# KiCad board Ashwing66_hard_prod.kicad_pcb (continued)
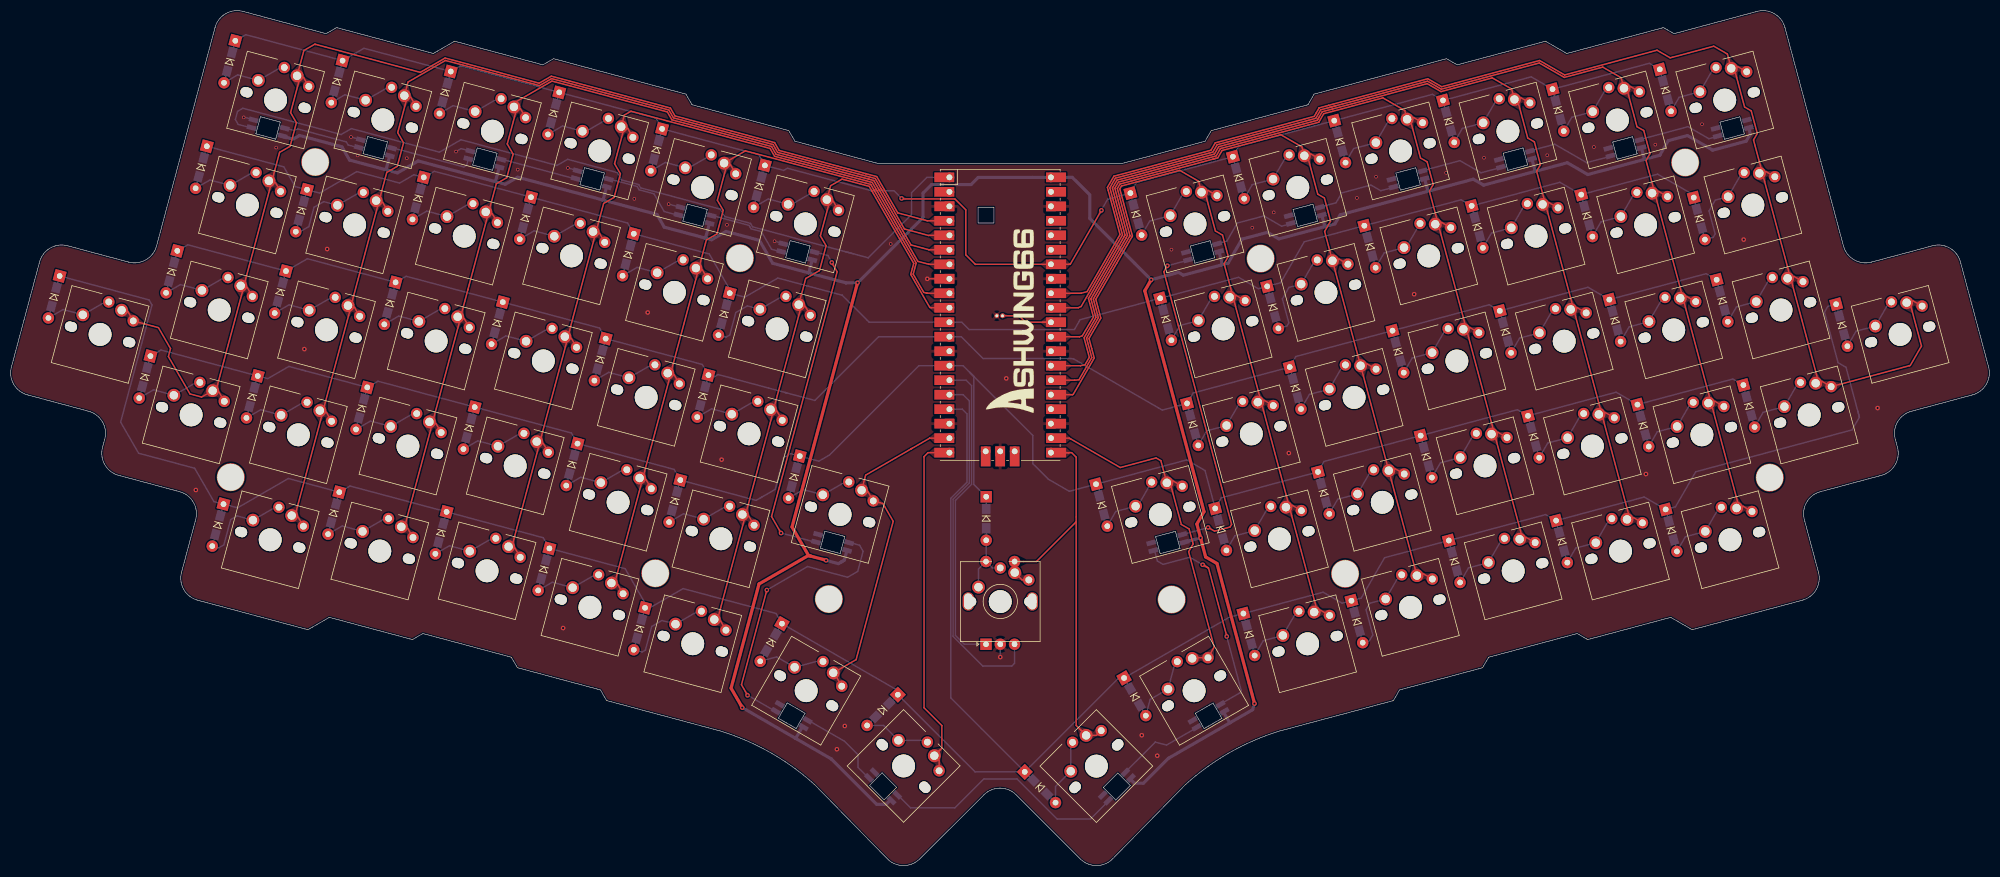
[diagram p0: board, top side]
## Routing (per net, layer and track width the routed paths; a pad name or vN(x,y) marks a point on that pad's centre or on a via; arc(x,y) is an arc through that point)
GND: length 19.3
  Top w0.15: pico.8 164.44,102.88
  Top w0.25: v2(160.57,102.87) 160.58,102.88 pico.8
  Bottom w0.25: v1(59.62,127.73) 61.54,127.22 61.56,127.23 ; v2(173.35,36.55) RotEnc.C ; v1(133.81,109.46) 135.57,108.99 ; 80.75,125.25 80.69,125.21 78.91,125.69 v1(78.03,125.18) ; 42.77,130.71 40.9,131.21 v1(40.82,131.17) ; v1(115.26,115.96) 117.51,115.36 117.56,115.39 ; v1(97.6,122.3) 97.61,122.31 99.55,121.79
  vias: v1(46.51,125.88) v1(60.78,124.51) v1(69.39,124.01) v1(88.83,122.02) v1(109.24,116.89) v1(125.47,112.33) v1(154.16,108.98) v1(203.33,107.98) v1(217.48,111.83) v1(221.25,114.51) v1(235.82,117.05) v1(239.16,120.77) v1(251.44,121.44) v1(258.07,124.09) v1(269.16,124.53) v1(277.33,125.97) v1(288.09,126.39) v1(296.27,129.97) v2(32.44,65.84) v2(51.44,90.54) v2(55.44,108.09) v2(96.77,41.64) v2(111.59,96.97) v2(124.54,71.17) v2(144.73,20.39) v2(146.11,24.47) v2(174.39,85.41) v2(198.13,22.85) v2(200.84,19.27) v2(223.89,72.32) v2(245.84,100.17) v2(286.44,68.64) v2(303.57,109.74) v2(327.02,80.22)
VBUS: length 560.6
  Top w0.25: 182.21,120.65 pico.40
  Top w0.55: 140.13,54.26 139.74,54.37 131.09,49.37 126.19,31.11 128.16,27.7 v2(128.16,27.69) 128.17,27.69 128.2,27.64 ; 140.13,54.26 139.76,54.36 136.87,59.37 v2(148.35,102.19) ; 140.13,54.26 142.83,53.54 v2(142.84,53.51) 142.86,53.53 142.88,53.52 ; v2(199.79,102.71) 199.78,102.71 198.66,100.77 209.04,62.05 207.78,59.88 v2(208.43,57.45) 208.43,57.44 209.32,54.11 211.3,52.97 217.88,28.41 v2(217.88,28.4) 217.89,28.39 217.9,28.35
  Bottom w0.25: 165.67,119.39 163.31,119.39 ; 140.49,106.05 140.41,106.2
  Bottom w0.55: 66.4,124.44 65.79,122.15 65.58,122.03 ; 137.49,22.3 137.6,22.49 137.63,22.5 138.68,24.32 ; 137.49,22.3 143.75,18.69 ; 137.49,22.3 v2(128.16,27.69) ; 140.41,106.2 139.82,103.99 139.88,103.89 ; 179.03,120.64 169.48,120.64 168.23,119.39 165.67,119.39 ; 179.03,120.64 178.98,120.64 ; 179.03,120.64 182.2,120.64 pico.40 185.96,120.66 189.02,117.59 189.02,113.46 196.87,105.61 ; 213.58,25.04 217.56,27.33 217.84,28.38 v2(217.88,28.4) ; 213.58,25.04 213.53,25.05 212.46,26.9 ; 213.58,25.04 202.79,18.81 198.42,14.44 196.85,14.44 196.14,15.16 ; 122.41,112.6 121.74,110.14 121.57,110.04 ; 103.57,116.73 103.82,116.88 104.39,118.99 ; 103.57,116.73 103.57,116.73 ; 103.57,116.73 88.81,120.69 86.66,119.44 84.85,119.93 ; 103.57,116.73 113.21,114.15 114.49,111.93 121.57,110.04 ; 143.75,18.69 143.76,18.7 ; 143.75,18.69 151.7,10.74 153.35,10.74 154.12,11.52 ; 286.09,123.78 288.87,124.53 290.35,127.09 293.71,127.99 298.1,125.46 298.11,125.42 304,127 304.73,128.27 304.44,129.35 ; 286.09,123.78 286.17,123.92 285.65,125.86 ; 286.09,123.78 276.26,121.15 272.67,123.22 266.9,121.68 ; 145.47,53.22 144.98,52.94 v2(142.84,53.51) ; 145.47,53.22 145.79,53.4 ; 145.47,53.22 146.03,53.55 146.49,55.26 ; 248.1,118.17 232.89,114.09 231.97,112.5 230.04,111.98 ; 248.1,118.17 256.19,120.34 258.01,119.29 266.9,121.68 ; 248.1,118.17 248.22,118.37 247.67,120.43 ; 47.41,127.92 49.5,127.36 50.6,128 58.03,126.01 59.37,123.69 65.58,122.03 ; 212.07,105.3 212.07,105.3 213.24,105.61 215.68,109.82 220.15,111.02 222.14,109.87 230.04,111.98 ; 212.07,105.3 205.4,103.51 204.55,104 v2(199.79,102.71) 199.76,102.71 196.87,105.6 ; 212.07,105.3 212.22,105.54 211.66,107.64 ; 229.66,114.04 230.16,112.19 230.04,111.98 ; 208.44,57.45 v2(208.43,57.45) 205.58,56.69 205.44,56.65 205.4,56.58 ; 121.57,110.04 122.77,109.71 125.3,111.18 131.16,109.61 133.47,105.6 139.88,103.89 ; 266.9,121.68 267.01,121.86 266.46,123.9 ; 85.59,122.45 84.93,119.97 84.85,119.93 ; 84.85,119.93 71.38,123.53 67.76,121.44 65.58,122.03 ; 139.88,103.89 146.31,102.16 v2(148.35,102.19) 148.36,102.16 159.81,113.62 159.81,117.89 161.31,119.39 163.31,119.39
Col_0: length 224.5
  Top w0.25: 52.22,136.59 51.31,138.16 50.17,138.46 ; K48.1 36.52,82.96 K48.1 ; K48.1 33.45,82.14 31.41,82.69 27.63,89.24 28.01,90.64 25.89,94.31 K60#2.1 20.57,97.06 K60#2.1 ; K48.1 36.06,83.65 40.7,100.97 K32.1 ; K16.1 46.37,119.75 K16.1 ; K16.1 45.6,119.41 43.05,109.86 40.94,102.02 K32.1 ; K16.1 45.87,120.42 47.11,125.04 48.95,126.1 50.06,130.23 49.03,132.01 50.57,137.77 50.17,138.46 ; K32.1 41.44,101.35 K32.1 ; 50.17,138.46 51.36,142.9 53.26,143.99 53.4,143.95 53.43,143.97 71.74,139.06 76.1,141.58 92.56,137.16 94.7,138.4 115.57,132.81 116.36,131.43 133.81,126.75 134.61,125.38 149.77,121.31 ; pico.4 160.56,113.04 155.39,114.43 153.05,118.47 151.71,120.79 149.77,121.31 ; 149.77,121.31 149.87,121.29
Col_1: length 197.9
  Top w0.25: K17.1 65.16,116.27 K17.1 ; K33.1 60.23,97.87 K33.1 ; 152.48,118.65 151.45,120.45 150.2,120.78 134.34,125.03 133.55,126.41 116.1,131.09 115.3,132.46 94.76,137.97 92.62,136.74 76.15,141.15 69.6,137.36 68.96,134.98 70.1,134.68 71.01,133.11 ; 152.48,118.65 156.55,111.6 160.84,110.45 160.89,110.5 pico.5 ; 152.48,118.65 152.62,118.41 ; 59.71,98.5 61.14,103.85 61.14,103.85 61.14,103.86 64.37,115.9 ; K64.1 50.37,61.07 K64.1 49.92,61.77 54.56,79.09 K49.1 55.3,79.47 K49.1 ; 59.47,97.45 54.83,80.14 ; 64.64,116.91 65.88,121.53 67.72,122.59 68.82,126.72 67.8,128.49 69.34,134.26
Col_2: length 178.9
  Top w0.25: 150.24,120.36 134.08,124.69 133.28,126.07 115.83,130.74 115.04,132.12 94.82,137.54 88.37,133.82 88.15,133 89.29,132.69 90.2,131.13 ; 150.24,120.36 151.18,120.11 152.09,118.53 ; 150.24,120.36 150.41,120.31 ; 83.83,114.92 85.07,119.54 86.91,120.6 88.01,124.73 86.99,126.51 88.53,132.27 ; pico.6 160.89,107.96 160.8,107.98 157.71,108.81 152.09,118.53 ; 152.09,118.53 152.19,118.36 ; 78.9,96.52 80.1,101 80.1,101 80.1,101 83.56,113.91 ; K50.1 74.5,77.49 K50.1 73.75,77.12 69.11,59.79 K65.1 69.57,59.09 K65.1 ; K18.1 84.36,114.29 K18.1 ; 74.02,78.15 78.66,95.46 78.28,96.12 K34.1 79.44,95.9 K34.1
Col_3: length 159.4
  Top w0.25: 151.63,118.53 150.92,119.76 133.82,124.35 133.02,125.72 108.65,132.25 107.5,131.58 106.95,129.54 108.09,129.23 108.99,127.67 ; 151.63,118.53 151.76,118.3 ; 151.63,118.53 158.91,105.92 160.76,105.45 161.01,105.42 pico.7 ; K19.1 103.16,110.83 K19.1 ; K51.1 93.29,74.02 K51.1 92.54,73.64 87.9,56.32 K66.1 88.36,55.62 K66.1 ; 102.63,111.46 103.86,116.08 105.7,117.14 106.81,121.27 105.78,123.05 107.33,128.81 ; K35.1 98.22,92.42 K35.1 ; 97.45,92.01 92.81,74.69 ; 102.36,110.45 97.7,93.06
Col_4: length 143.1
  Top w0.25: 120.63,105.06 121.71,109.13 121.87,109.68 123.71,110.74 124.81,114.87 123.79,116.65 125.33,122.41 ; 151.15,118.56 151.33,118.25 ; 151.15,118.56 158.62,105.63 158.1,103.68 159.94,100.5 160.44,100.36 160.45,100.36 160.61,100.35 pico.9 ; 151.15,118.56 150.66,119.42 128.7,125.3 124.96,123.15 126.1,122.84 127.01,121.27 ; K36.1 116.23,86.03 K36.1 ; K20.1 121.17,104.44 K20.1 ; 120.36,104.05 115.7,86.66 ; 115.46,85.6 110.82,68.29 ; K52.1 111.31,67.64 K52.1 110.56,67.28 105.91,49.93 K67.1 106.37,49.23 K67.1
Col_5: length 129.1
  Top w0.25: 143.29,116.81 143.15,116.85 142.97,116.75 ; 142.97,116.75 144.11,116.44 145.02,114.87 ; 142.97,116.75 143.35,116.08 141.83,110.41 142.84,108.66 141.68,104.31 139.27,102.92 K21.1 139.18,98.04 K21.1 ; 142.97,116.75 143.63,119.19 145.63,120.35 150.39,119.08 150.83,118.31 ; pico.10 161.29,97.8 161,97.86 157.67,103.63 158.19,105.57 150.83,118.31 ; K37#2.1 134.25,79.64 K37#2.1 ; 150.83,118.31 150.9,118.19 ; K68.1 124.39,42.84 K68.1 123.92,43.53 128.57,60.87 K53.1 129.32,61.24 K53.1 ; 138.37,97.65 133.71,80.25 ; 133.47,79.2 128.83,61.89
  Bottom w0.25: K21.1 140.12,96.46
Col_6: length 60.3
  Top w0.25: 157.69,73.03 160.95,74.91 160.97,74.94 pico.19 ; 157.69,73.03 157.92,73.16 ; 157.69,73.03 155.04,71.5 149.76,68.46 149.05,65.81 150.19,65.5 151.1,63.93 152.79,63.48 154.59,60.36 148.1,36.11 144.09,33.79 144.25,33.75 145.58,31.45
Col_7: length 62.2
  Top w0.25: 162.66,20.13 162.76,20.23 ; 162.66,20.13 161.8,19.27 162.63,18.43 162.63,16.62 ; 162.66,20.13 163.12,20.59 163.12,24.54 159.99,27.67 159.99,71.69 160.7,72.4 pico.20
Col_8: length 82
  Top w0.25: 191.03,23.66 190.2,22.83 188.39,22.83 ; 186.64,60.27 179.68,53.31 RotEnc.S1 175.85,51.4 K37.1 177.16,50.08 K37.1 ; 186.64,60.27 186.64,61.13 186.64,71.61 185.85,72.4 pico.21 ; 186.64,60.27 186.64,24.57 188.39,22.83 ; 188.39,22.83 188.39,22.91 ; 188.39,22.83 187.33,23.88 ; pico.21 185.29,72.37 185.39,72.33 ; pico.21 183.51,72.74
Col_9: length 64.1
  Top w0.25: 202.52,67.1 203.21,66.71 205.06,59.81 206.42,59.02 207.13,56.39 206.34,55.02 210.81,38.32 209.73,36.44 207.08,36.44 206.96,36.32 ; 202.52,67.1 201.48,70.98 200.64,71.47 194.36,69.79 185.66,74.81 185.44,74.94 pico.22 ; 202.52,67.1 203.66,67.41 205.23,66.5
Col_10: length 154.6
  Top w0.25: K22.1 214.67,99.96 K22.1 ; K71.1 229.46,44.75 K71.1 228.73,45.15 224.1,62.42 K54.1 ; K22.1 213.94,100.35 212.56,105.5 213.28,106.77 212.28,110.53 211.03,111.25 209.32,117.64 208.6,118.05 ; K22.1 214.23,99.24 218.87,81.95 K38.1 ; K38.1 219.6,81.55 K38.1 ; K38.1 219.16,80.84 223.8,63.55 K54.1 ; pico.25 185.94,82.56 186.12,82.61 189.81,88.99 189.36,90.67 188.89,92.41 190.96,95.99 190.41,98.02 190.08,99.27 196.35,110.13 196.49,110.38 194.28,118.64 194.57,119.14 204.78,121.88 208.08,119.97 208.6,118.05 ; 208.6,118.05 209.74,118.36 211.31,117.45 ; K54.1 224.53,63.14 K54.1
Col_11: length 171.4
  Top w0.25: K55.1 241.39,69.26 K39.1 ; K55.1 242.54,69.56 K55.1 ; K55.1 246.33,50.84 K72.1 247.47,51.14 K72.1 ; 196.05,110.42 196.06,110.44 193.85,118.7 194.31,119.49 210.63,123.86 ; 196.05,110.42 189.65,99.33 190.53,96.05 188.46,92.47 189.37,89.05 187.13,85.16 186.36,85.1 ; 196.05,110.42 196.06,110.43 ; 226.61,124.45 227.25,124.08 228.95,117.71 230.12,117.04 231.21,112.99 230.16,111.17 K23.1 ; 226.61,124.45 226.19,125.99 222.5,128.13 212.2,125.37 211.46,124.08 210.63,123.86 ; 226.61,124.45 227.75,124.76 229.31,123.85 ; K39.1 237.6,87.94 K39.1 ; K39.1 K23.1 ; 210.63,123.86 211.13,123.99 ; 186.36,85.1 pico.26 ; K23.1 232.67,106.34 K23.1
Col_12: length 190.5
  Top w0.25: K24.1 250.16,112.08 254.83,94.65 K40.1 ; K24.1 249.9,113.06 248.51,118.24 249.18,119.41 248.12,123.38 246.95,124.05 245.23,130.48 244.61,130.84 ; K24.1 250.68,112.75 K24.1 ; K40.1 255.1,93.66 259.76,76.26 K56.1 ; K40.1 255.61,94.33 K40.1 ; 247.32,130.24 245.75,131.15 244.61,130.84 ; K56.1 260.54,75.94 K56.1 ; K56.1 260.02,75.28 264.62,58.11 264.26,57.49 K73.1 265.47,57.53 K73.1 ; 189.26,99.24 189.22,99.38 ; 189.22,99.38 190.1,96.11 188.03,92.52 188.94,89.11 188.18,87.79 187.41,87.65 187.39,87.64 pico.27 ; 189.22,99.38 195.32,109.95 195.63,110.48 193.41,118.74 194.04,119.83 211.17,124.42 211.91,125.7 229.14,130.32 230,131.82 231.51,132.22 240.36,134.59 244.2,132.38 244.61,130.84
Col_13: length 205.6
  Top w0.25: 228.87,130.66 229.74,132.16 231.54,132.64 248.12,137.09 250.54,135.69 259.53,138.1 262.92,136.14 263.41,134.31 ; 228.87,130.66 229.17,131.19 ; 228.87,130.66 211.6,126.04 210.86,124.75 193.78,120.17 192.99,118.8 193.03,118.64 195.2,110.54 195.05,110.28 188.79,99.44 189.67,96.16 187.71,92.87 187.24,92.72 187.21,92.72 pico.29 ; K41.1 274.41,97.8 K41.1 ; K41.1 273.89,97.14 278.55,79.72 K57.1 ; K41.1 273.62,98.12 268.95,115.56 K25.1 ; 263.41,134.31 264.02,133.96 265.74,127.54 266.9,126.87 267.97,122.89 267.3,121.73 268.69,116.52 K25.1 ; 263.41,134.31 264.55,134.62 266.12,133.71 ; K57.1 279.34,79.42 K57.1 ; K57.1 278.81,78.76 283.48,61.32 K74.1 284.27,61 K74.1 ; K25.1 269.48,116.22 K25.1
Col_14: length 221.4
  Top w0.25: K26.1 288.67,118.19 K26.1 ; K26.1 287.85,118.44 286.46,123.62 287.15,124.82 286.07,128.85 284.87,129.54 283.16,135.95 282.59,136.27 ; K26.1 288.08,117.56 292.78,100.04 K42.1 ; 232.16,133.22 229.47,132.5 228.61,131.01 211.33,126.38 210.58,125.09 193.51,120.51 192.54,118.84 193.19,116.42 ; K42.1 293.59,99.78 K42.1 ; K75.1 303.46,62.99 K75.1 302.64,63.24 297.94,80.76 K58.1 ; 285.3,135.67 283.73,136.58 282.59,136.27 ; K42.1 293.02,99.14 297.71,81.64 K58.1 ; 282.59,136.27 282.1,138.13 278.88,139.98 272.14,138.18 267.75,140.71 250.6,136.12 248.18,137.52 230.99,132.91 ; K58.1 298.53,81.39 K58.1 ; 193.19,116.42 194.76,110.57 187.51,98.02 187.04,97.82 186.99,97.8 pico.31
Col_15: length 246.2
  Top w0.25: 301.38,139.77 300.71,142.27 298.33,143.65 291.06,141.71 290.69,141.61 288.38,142.94 272.2,138.61 267.81,141.14 250.66,136.55 248.24,137.94 230.86,133.29 229.21,132.85 228.34,131.35 211,126.7 210.26,125.42 193.25,120.86 192.11,118.89 194.33,110.63 188.55,100.62 187.51,100.35 187.5,100.34 pico.32 ; 301.38,139.77 302.52,140.07 304.09,139.17 ; 301.38,139.77 302,139.41 303.72,132.99 304.89,132.32 305.95,128.35 305.29,127.21 306.68,122 K27.1 ; K44#2.1 333.25,98.99 K44#2.1 332.78,98.3 334.71,91.09 332.74,87.68 332.57,87.64 332.57,87.63 K59.1 317.32,84.87 K59.1 316.55,85.21 311.98,102.28 311.33,102.65 K43.1 ; K43.1 312.39,103.27 K43.1 ; K43.1 311.61,103.59 306.94,121.01 K27.1 ; K27.1 307.45,121.67 K27.1
LED1: length 146.2
  Bottom w0.25: 146.32,107.6 147.58,107.26 ; 146.32,107.6 129.95,111.98 129.61,112.58 125.05,113.8 124.32,115.07 110.35,118.81 110.01,119.4 107.02,120.2 106.28,121.48 97.56,123.82 95.69,122.74 78.88,127.25 75.11,125.07 59.68,129.21 57.88,128.16 40.68,132.77 39.75,132.24 39.36,130.8 39.86,129.94 42.38,129.26 ; 146.32,107.6 150.21,106.56 150.24,106.57 157.81,114.15 157.81,117.97 160.5,120.66 pico.1
LED2: length 14.2
  Bottom w0.25: 61.17,125.78 59.11,126.34 58.8,126.87 50.25,129.16 49.72,128.85 47.79,129.37
LED3: length 14.8
  Bottom w0.25: 66.77,125.79 66.85,125.84 79.39,122.48 79.88,122.77 K2.4
LED4: length 13.9
  Bottom w0.25: 85.77,123.9 85.8,123.84 85.96,123.8 86.02,123.84 99.14,120.33 99.16,120.34
LED5: length 15.1
  Bottom w0.25: 117.17,113.95 114.48,114.67 112.68,117.77 110.08,118.47 109.75,119.05 104.57,120.44
LED6: length 15.1
  Bottom w0.25: 122.58,114.05 129.35,112.24 129.69,111.64 131.49,111.16 133.28,108.05 135.18,107.54
LED7: length 60.3
  Top w0.25: v2(134.95,58.3) 133.27,61.2 144.77,104.11 v2(143.83,105.74)
  Bottom w0.25: 140.59,107.65 143.15,106.96 143.84,105.77 v2(143.83,105.74) 143.86,105.73 143.85,105.75 ; v2(134.95,58.3) 141.26,56.61
LED8: length 49.8
  Top w0.25: 129.06,29.9 129.09,29.85 v2(129.08,29.85) 129.08,29.86 128.01,31.71 v2(132.46,48.31)
  Bottom w0.25: 134.18,26.92 129.1,29.86 v2(129.08,29.85) ; v2(132.46,48.31) 139.59,52.43 146.6,50.55 148.38,51.57 149.32,55.1 148.71,56.16 146.67,56.71
LED9: length 16.1
  Bottom w0.25: 150.45,15.19 148.43,17.21 148.43,19.42 146.06,21.79 139.43,25.62
LED10: length 44.7
  Bottom w0.25: 155.19,12.58 157.63,10.13 165.4,10.13 170.47,15.19 176.28,15.19 183.31,8.16 189.15,8.16 189.28,8.29 189.28,8.3 192.46,11.48
LED11: length 16.1
  Bottom w0.25: 195.07,16.22 200.51,21.65 ; 200.51,21.65 200.51,21.65 ; 200.51,21.65 202.46,21.13 207.96,24.3
LED12: length 39.9
  Top w0.25: 209.73,52.23 209.82,52.18 213.03,40.2 v2(213.01,40.17) ; 209.73,52.23 209.7,52.23 v2(208.79,52.75) 208.82,52.76 209.73,52.23
  Bottom w0.25: 211.71,28.2 215.37,30.32 215.4,30.33 215.57,30.62 v2(213.01,40.17) 213.18,40.07 ; v2(208.79,52.75) 206.53,54.06 201.87,52.81 200.87,53.39 200.37,55.24
LED13: length 60.6
  Top w0.25: v2(209.74,59.29) 210.88,58.63 213.6,59.36 213.87,59.82 202,104.1 v2(202.62,105.17) ; v2(209.74,59.29) 209.73,59.3 ; v2(209.74,59.29) 209.7,59.21
  Bottom w0.25: 206.45,106.19 202.64,105.16 202.65,105.17 v2(202.62,105.17) 202.62,105.14 202.64,105.16 ; 205.22,58.04 209.72,59.25 v2(209.74,59.29) 209.73,59.3
LED14: length 16
  Bottom w0.25: 224.46,112.59 222.62,112.1 219.51,113.89 214.87,112.65 213.06,109.51 211.09,108.98
LED15: length 15
  Bottom w0.25: 242.45,118.96 242.46,118.98 239.99,118.32 238.28,119.31 233.17,117.94 232.17,116.21 229.09,115.38 229.1,115.38
LED16: length 15.1
  Bottom w0.25: 247.1,121.77 253.86,123.58 257.55,121.46 261.26,122.45
LED17: length 15.7
  Bottom w0.25: 280.44,124.41 276.06,123.23 270.46,126.47 270.45,126.47 265.9,125.24
LED18: length 15.1
  Bottom w0.25: 285.08,127.2 293.81,129.54 297.47,127.43 299.24,127.9
NET-(D80-A): length 14
  Bottom w0.25: D44.2 191.54,60.05 D44.2 193.57,62.07 197.04,63 197.48,63.12 199.86,67.24
NET-(DEXT-A): length 13.9
  Bottom w0.25: 160.58,21.64 160.26,21.96 155.51,21.96 152.9,24.57 D69#2.2 D69#2.2
ROT_BUT: length 19.8
  Bottom w0.15: D69#3.2 D69#3.2 170.88,53.34 RotEnc.ROTIN 170.92,53.38
  Bottom w0.25: RotEnc.ROTIN 170.88,53.34 D69#3.2 D69#3.2 ; RotEnc.ROTIN 169.53,51.99 K37.2 ; RotEnc.ROTIN 171.97,52.18 K37.2
ROT_IN: length 55.2
  Bottom w0.25: pico.15 167.36,85.1 168.32,84.14 168.32,66.84 165.49,64.01 165.49,40.36 167.04,38.81 RotEnc.A
ROT_OUT: length 62.9
  Bottom w0.25: RotEnc.B 175.85,35.46 175.36,34.98 170.29,34.98 165.08,40.19 165.08,64.22 167.92,67.06 167.92,81.47 166.83,82.56 pico.16
Row_0: length 305.6
  Top w0.25: v2(191.06,114.88) 185.61,105.44 185.55,105.42 183.74,105.42 183.73,105.42 pico.34 169,105.42 168.98,105.4 167.31,107.07 167.31,114.96 165.4,116.87 156.16,116.87 v2(156.06,116.97)
  Bottom w0.25: D8.1 D8.1 ; D8.1 215.16,126.13 D7.1 ; D8.1 249.04,135.21 D9.1 ; D10.1 287.03,140.66 D11.1 D11.1 ; D10.1 D10.1 ; D10.1 266.33,138.28 D9.1 ; 150.77,118.31 136.06,122.25 135.41,121.87 D5.1 ; 150.77,118.31 154.72,118.31 v2(156.06,116.97) ; 150.77,118.31 150.6,118.36 150.6,118.35 150.59,118.36 ; 40.04,144.42 D0.1 ; D0.1 40.68,145.37 41.19,145.66 D1.1 ; D0.1 D0.1 ; D3.1 78.79,140.19 D2.1 ; D3.1 113.04,131.01 D4.1 ; D3.1 D3.1 ; D4.1 131.04,124.62 D5.1 ; D4.1 D4.1 ; D2.1 61.89,143.29 D1.1 ; D2.1 D2.1 ; D7.1 197.21,119.76 D6.1 ; D7.1 D7.1 ; D9.1 D9.1 ; D5.1 D5.1 ; D1.1 D1.1 ; D6.1 192.16,116.83 191.06,114.91 v2(191.06,114.88) ; D6.1 D6.1
Row_1: length 312.7
  Bottom w0.25: D26.1 288.49,121.22 294.67,117.65 D27.1 D27.1 ; D26.1 271.35,119.79 D25.1 ; D26.1 D26.1 ; D19.1 74.21,121.72 D18.1 ; D19.1 D19.1 ; D19.1 108.07,112.64 D20.1 ; D21.1 D21.1 ; D21.1 128.58,99.65 134.38,103.01 139.38,101.67 139.39,101.67 139.8,101.56 145.67,99.99 145.68,99.96 150.38,95.26 pico.11 166.6,95.26 167.89,93.97 186.3,93.97 186.38,94.06 187.33,95.7 D22.1 ; D21.1 126.08,100.81 122.38,107.22 D20.1 ; D18.1 D18.1 ; D18.1 70.64,121.11 68.12,119.66 60.63,121.66 54.11,117.9 D17.1 ; D20.1 D20.1 ; D23.1 222.45,102.18 226.6,109.37 D24.1 ; D23.1 D23.1 ; D23.1 218.55,101.13 215.08,103.14 D22.1 ; D17.1 49.84,119.04 47.85,122.49 D16.1 D16.1 ; D17.1 D17.1 ; D25.1 D25.1 ; D25.1 254.06,116.73 D24.1 ; D22.1 D22.1 ; D22.1 201.19,99.18 ; D24.1 D24.1
Row_2: length 317.2
  Bottom w0.25: D38.1 D38.1 ; D38.1 201.72,79.86 186.21,88.81 185.74,88.9 170.33,88.9 167.9,91.32 166.51,92.72 pico.12 152.04,92.72 150.18,90.86 140.89,81.57 140.86,81.55 135.67,82.94 ; D38.1 207.12,82.86 D39.1 ; D41.1 D41.1 ; D41.1 258.99,98.32 D40.1 ; D41.1 276.28,101.39 D42.1 ; 135.67,82.94 135.98,82.86 ; 135.67,82.94 132.74,83.72 123.9,86.09 123.25,85.71 D37.1 ; D40.1 225.11,89.25 D39.1 ; D40.1 D40.1 ; D35.1 D35.1 ; D35.1 103.16,94.24 D36.1 ; D35.1 69.28,103.32 D34.1 ; D33.1 51.98,106.39 D34.1 ; D33.1 D33.1 ; D33.1 31.03,108.83 D32#3.1 D32#3.1 ; D36.1 121.16,87.85 D37.1 ; D36.1 D36.1 ; D34.1 D34.1 ; D37.1 D37.1 ; D42.1 296.98,103.77 D43.1 D43.1 ; D42.1 280.58,97.19 ; D39.1 D39.1
Row_3: length 385.3
  Bottom w0.15: 168.72,66.82 D69#3.1 D69#3.1
  Bottom w0.25: D32#2.1 136.6,72.22 135.41,71.54 133.91,65.95 131.55,64.59 ; D32#2.1 141.55,70.9 143.43,71.98 157.67,86.22 159.09,87.64 pico.14 166.83,87.64 167.99,86.48 167.99,86.47 ; D32#2.1 D32#2.1 ; D49.1 D49.1 ; D49.1 45.03,85.37 48.74,87.51 51.64,86.73 ; D49.1 26.33,90.38 D48.1 D48.1 ; 167.99,86.47 179.04,75.42 179.04,70.47 181.78,67.73 185.44,65.62 D44.1 ; 167.99,86.47 168.76,85.7 ; 167.99,86.47 168.77,85.69 ; 167.99,86.47 168.72,85.74 168.72,66.82 D69#3.1 D69#3.1 ; D50.1 51.64,86.73 ; D50.1 64.35,84.92 D51.1 ; D50.1 D50.1 ; 51.64,86.73 50.81,86.95 ; D52.1 116.23,69.45 D53.1 ; D52.1 98.23,75.84 D51.1 ; D52.1 D52.1 ; D44.1 205.99,71.12 206.04,71.1 209.21,69.27 D54.1 ; D44.1 190.66,66.32 D44.1 ; D55.1 212.07,64.49 D54.1 ; D55.1 D55.1 ; D55.1 230.05,70.85 D56.1 ; 131.55,64.59 130.58,64.03 D53.1 ; 131.55,64.59 131.23,64.41 ; D58.1 301.67,85.3 D59.1 D59.1 ; D58.1 D58.1 ; D58.1 281.21,82.99 D57.1 ; D56.1 D56.1 ; D56.1 263.93,79.92 D57.1 ; D54.1 D54.1 ; D57.1 D57.1 ; D53.1 D53.1 ; D51.1 D51.1
Row_4: length 524.3
  Bottom w0.25: D73.1 268.87,61.54 D74.1 ; D73.1 D73.1 ; D73.1 240.67,53.98 236.58,46.9 D72.1 ; D74.1 D74.1 ; D74.1 286.13,64.62 D75.1 ; D72.1 233.23,46 229.89,47.93 D71.1 ; D72.1 D72.1 ; D70#2.1 164.68,29.39 164.68,64.38 167.52,67.22 167.52,79.19 166.69,80.02 pico.17 ; D70#2.1 D70#2.1 ; D70#2.1 168.93,16.43 D69#2.1 ; D70#2.1 194.1,32.89 D70.1 ; D69.1 134.07,44.2 117.79,48.56 111.69,45.04 D68.1 ; D69.1 D69.1 ; D69.1 155.17,30.83 D69#2.1 ; D64.1 39.73,62.72 48.65,67.86 D65.1 ; D64.1 D64.1 ; D64.1 35.6,63.82 32.23,69.66 22.42,72.29 19.27,77.75 24.77,98.27 24.25,99.17 D32.1 D32.1 ; D68.1 111.27,45.76 107.64,52.05 D67.1 ; D68.1 D68.1 ; D70.1 213.46,43.53 D71.1 ; D70.1 D70.1 ; 323.8,78.73 321.49,87.36 320.1,88.17 317.72,97.03 318.29,98.02 D44#2.1 D44#2.1 ; 323.8,78.73 323.83,78.61 322.55,76.38 295.17,69.05 291.62,62.9 D75.1 ; 323.8,78.73 323.55,79.68 ; D71.1 D71.1 ; D65.1 D65.1 ; D65.1 59.44,66.55 D66.1 ; D75.1 D75.1 ; D69#2.1 D69#2.1 ; D67.1 93.3,57.48 D66.1 ; D67.1 D67.1 ; D66.1 D66.1
RUN: length 10.4
  Top w0.25: RESET.2 176.63,96.39 177.76,95.26 pico.30 180.73,95.26
Net-(D0-A): length 13.8
  Bottom w0.25: D0.2 D0.2 39.77,138.62 43.38,137.66 47.5,140.03 47.93,139.91
Net-(D1-A): length 13.8
  Bottom w0.25: D1.2 D1.2 58.56,135.14 62.17,134.17 66.29,136.55 66.72,136.43
Net-(D2-A): length 14.1
  Bottom w0.25: 85.91,134.45 85.48,134.56 81.36,132.19 77.5,133.22 D2.2 D2.2
Net-(D3-A): length 13.9
  Bottom w0.25: D3.2 D3.2 96.67,129.66 100.16,128.73 100.59,128.61 104.71,130.99
Net-(D4-A): length 13.9
  Bottom w0.25: D4.2 D4.2 114.69,123.27 118.17,122.34 118.61,122.22 122.72,124.6
Net-(D5-A): length 13.9
  Bottom w0.25: D5.2 D5.2 132.69,116.87 136.18,115.94 136.62,115.82 140.73,118.19
Net-(D6-A): length 13.9
  Bottom w0.25: 205.93,118.19 205.5,118.07 203.12,113.95 199.53,112.99 D6.2 D6.2
Net-(D7-A): length 13.9
  Bottom w0.25: D7.2 D7.2 217.48,119.38 221.13,120.36 223.51,124.47 223.94,124.59
Net-(D8-A): length 14.2
  Bottom w0.25: 241.94,130.98 241.51,130.86 239.13,126.75 235.24,125.7 D8.2 D8.2
Net-(D9-A): length 13.9
  Bottom w0.25: D9.2 D9.2 254.29,129.24 257.93,130.22 260.31,134.33 260.74,134.45
Net-(D10-A): length 13.9
  Bottom w0.25: 279.93,136.41 279.49,136.29 277.12,132.18 273.46,131.2 D10.2 D10.2
Net-(D11-A): length 13.9
  Bottom w0.25: K11.2 298.28,139.79 K11.2 292.26,134.69 D11.2 D11.2
Net-(D16-A): length 13.9
  Bottom w0.25: D16.2 D16.2 34.9,120.19 K16.2 42.56,121.62 K16.2
Net-(D17-A): length 17.8
  Bottom w0.25: D17.2 D17.2 50.45,110.99 52.23,112.02 53.14,115.41 54.85,116.4 K17.2 61.35,118.14 K17.2
Net-(D18-A): length 13.9
  Bottom w0.25: D18.2 D18.2 72.89,114.74 K18.2 80.55,116.16 K18.2
Net-(D19-A): length 13.9
  Bottom w0.25: D19.2 D19.2 91.69,111.28 K19.2 99.34,112.7 K19.2
Net-(D20-A): length 13.9
  Bottom w0.25: K20.2 117.36,106.31 K20.2 109.74,104.88 D20.2 D20.2
Net-(D21-A): length 20.7
  Bottom w0.25: D21.2 D21.2 ; D21.2 125.32,92.64 125.96,93.01 127.02,96.95 129.05,98.12 K21.2 ; D21.2 125.29,92.65 ; K21.2 135.37,99.91 132.32,98.15 ; 132.32,98.15 K21.2 ; 132.32,98.15 K21.2
Net-(D22-A): length 13.6
  Bottom w0.25: D22.2 D22.2 204.82,94.69 K22.2 210.43,99.67 K22.2
Net-(D23-A): length 18.4
  Bottom w0.25: D23.2 D23.2 223.56,94.59 223.89,95.15 222.76,99.35 223.93,101.37 K23.2 228.43,106.06 K23.2
Net-(D24-A): length 14.1
  Bottom w0.25: K24.2 244.5,108.46 K24.2 240.58,107.41 D24.2 ; D24.2 239.01,104.69 ; D24.2 D24.2
Net-(D25-A): length 13.9
  Bottom w0.25: D25.2 D25.2 259.38,110.88 K25.2 265.24,115.93 K25.2
Net-(D26-A): length 13.9
  Bottom w0.25: K26.2 284.43,117.9 K26.2 278.57,112.86 D26.2 D26.2
Net-(D27-A): length 18.2
  Bottom w0.25: D27.2 D27.2 298.22,110.14 298.57,110.74 297.49,114.76 298.59,116.67 K27.2 303.21,121.38 303.65,121.5
Net-(D32-A): length 14.1
  Bottom w0.25: K32.2 37.63,103.22 K32.2 29.73,101.86 D32#3.2 D32#3.2
Net-(D33-A): length 13.9
  Bottom w0.25: D33.2 D33.2 48.76,98.31 K33.2 56.42,99.74 K33.2
Net-(D34-A): length 13.9
  Bottom w0.25: K34.2 75.63,97.77 K34.2 67.98,96.34 D34.2 D34.2
Net-(D35-A): length 13.9
  Bottom w0.25: K35.2 94.4,94.29 K35.2 86.75,92.87 D35.2 D35.2
Net-(D36-A): length 13.9
  Bottom w0.25: D36.2 D36.2 104.76,86.47 K36.2 112.42,87.9 K36.2
Net-(D37-A): length 13.9
  Bottom w0.25: K37#2.2 130.43,81.51 K37#2.2 122.79,80.08 D37.2 D37.2
Net-(D38-A): length 13.9
  Bottom w0.25: K38.2 215.36,81.27 K38.2 209.51,76.22 D38.2 D38.2
Net-(D39-A): length 13.9
  Bottom w0.25: K39.2 233.36,87.66 K39.2 227.5,82.61 D39.2 D39.2
Net-(D40-A): length 13.9
  Bottom w0.25: K40.2 251.37,94.04 K40.2 245.5,88.99 D40.2 D40.2
Net-(D41-A): length 13.9
  Bottom w0.25: D41.2 D41.2 264.3,92.47 K41.2 270.17,97.52 K41.2
Net-(D42-A): length 13.9
  Bottom w0.25: K42.2 289.35,99.49 K42.2 283.49,94.44 D42.2 D42.2
Net-(D43-A): length 13.9
  Bottom w0.25: K43.2 308.15,102.98 K43.2 302.29,97.94 D43.2 D43.2
Net-(D44-A): length 13.9
  Bottom w0.25: D44#2.2 D44#2.2 323.25,93.68 K44#2.2 329.01,98.71 K44#2.2
Net-(D48-A): length 13.9
  Bottom w0.25: K48.2 32.71,84.83 K48.2 25.03,83.41 D48.2 D48.2
Net-(D49-A): length 13.9
  Bottom w0.25: K49.2 51.49,81.34 K49.2 43.8,79.92 D49.2 D49.2
Net-(D50-A): length 13.9
  Bottom w0.25: D50.2 D50.2 63.03,77.93 K50.2 70.69,79.36 K50.2
Net-(D51-A): length 13.9
  Bottom w0.25: D51.2 D51.2 81.82,74.47 K51.2 89.47,75.89 K51.2
Net-(D52-A): length 13.9
  Bottom w0.25: K52.2 107.5,69.51 K52.2 99.85,68.08 D52.2 D52.2
Net-(D53-A): length 13.9
  Bottom w0.25: D53.2 D53.2 117.85,61.68 K53.2 125.5,63.11 K53.2
Net-(D54-A): length 13.9
  Bottom w0.25: D54.2 D54.2 214.43,57.8 K54.2 220.29,62.85 K54.2
Net-(D55-A): length 13.9
  Bottom w0.25: K55.2 238.3,69.27 K55.2 232.45,64.22 D55.2 D55.2
Net-(D56-A): length 13.9
  Bottom w0.25: K56.2 256.3,75.66 K56.2 250.44,70.61 D56.2 D56.2
Net-(D57-A): length 13.9
  Bottom w0.25: K57.2 275.1,79.13 K57.2 269.24,74.08 D57.2 D57.2
Net-(D58-A): length 13.9
  Bottom w0.25: D58.2 D58.2 288.43,76.05 K58.2 294.29,81.1 K58.2
Net-(D59-A): length 14.6
  Bottom w0.25: D59.2 D59.2 306.97,79.47 K59.2 313.08,84.58 ; 313.08,84.58 K59.2 313.08,84.58
Net-(D60-A): length 27.7
  Bottom w0.25: K60#2.2 16.76,98.93 K60#2.2 9.18,97.49 D32.2 D32.2 ; 146.81,67.26 146.38,67.37 142.26,65 138.84,65.92 D32#2.2 D32#2.2
Net-(D61-A): length 13.9
  Bottom w0.25: D70#2.2 D70#2.2 183.02,13.88 185.69,16.54 185.69,21.29 186.01,21.61
Net-(D64-A): length 18.3
  Bottom w0.25: K64.2 46.56,62.94 K64.2 39.66,61.3 38.54,60.66 37.35,56.23 36.45,55.71 D64.2 D64.2
Net-(D65-A): length 13.9
  Bottom w0.25: D65.2 D65.2 58.08,59.54 K65.2 65.76,60.96 K65.2
Net-(D66-A): length 13.8
  Bottom w0.25: K66.2 84.54,57.49 K66.2 76.86,56.07 D66.2 D66.2
Net-(D67-A): length 13.9
  Bottom w0.25: D67.2 D67.2 94.88,49.68 K67.2 102.56,51.1 K67.2
Net-(D68-A): length 18.3
  Bottom w0.25: D68.2 D68.2 110.61,37.44 111.21,37.79 111.19,37.81 112.29,41.93 114.09,42.97 K68.2 120.57,44.71 K68.2
Net-(D69-A): length 14.7
  Bottom w0.25: D69.2 134.17,36.59 137.32,34.77 141.91,36 142.3,35.77 ; D69.2 131.96,36.2 ; D69.2 D69.2
Net-(D70-A): length 13.9
  Bottom w0.25: 204.35,35.76 203.96,35.53 202.73,30.94 199.61,29.14 D70.2 D70.2
Net-(D71-A): length 13.9
  Bottom w0.25: K71.2 225.22,44.47 K71.2 219.41,39.43 D71.2 D71.2
Net-(D72-A): length 18.5
  Bottom w0.25: D72.2 D72.2 238,39.39 238.6,40.44 237.42,44.85 238.08,46 K72.2 243.23,50.85 K72.2
Net-(D73-A): length 13.9
  Bottom w0.25: D73.2 D73.2 255.36,52.19 K73.2 261.23,57.24 K73.2
Net-(D74-A): length 13.9
  Bottom w0.25: D74.2 D74.2 274.14,55.66 K74.2 280.03,60.72 K74.2
Net-(D75-A): length 13.9
  Bottom w0.25: K75.2 299.22,62.7 K75.2 293.35,57.65 D75.2 D75.2

## Copper pours and planes (outline as drawn; the poured copper is in the pictures)
GND on Top, Bottom: 356.34,166.89 357.24,-3.88 -9.65,-6.27 -6.38,166.89 7.04,166.89

Small or netless copper shapes (teardrops, artwork), in the pictures only: 315 on Top, 762 on Bottom

## Text on the board
B.Silkscreen: BOOT | RUN GND | Model: Ashwing66 - Rev 1.0 (Choc V1/MX) / Designed by: James Gzowski (github.com/gzowski) | Column 01 | Column 16 | Row 01
